# KiCad board GateMateA1-EVB_Rev_B.kicad_pcb (continued)
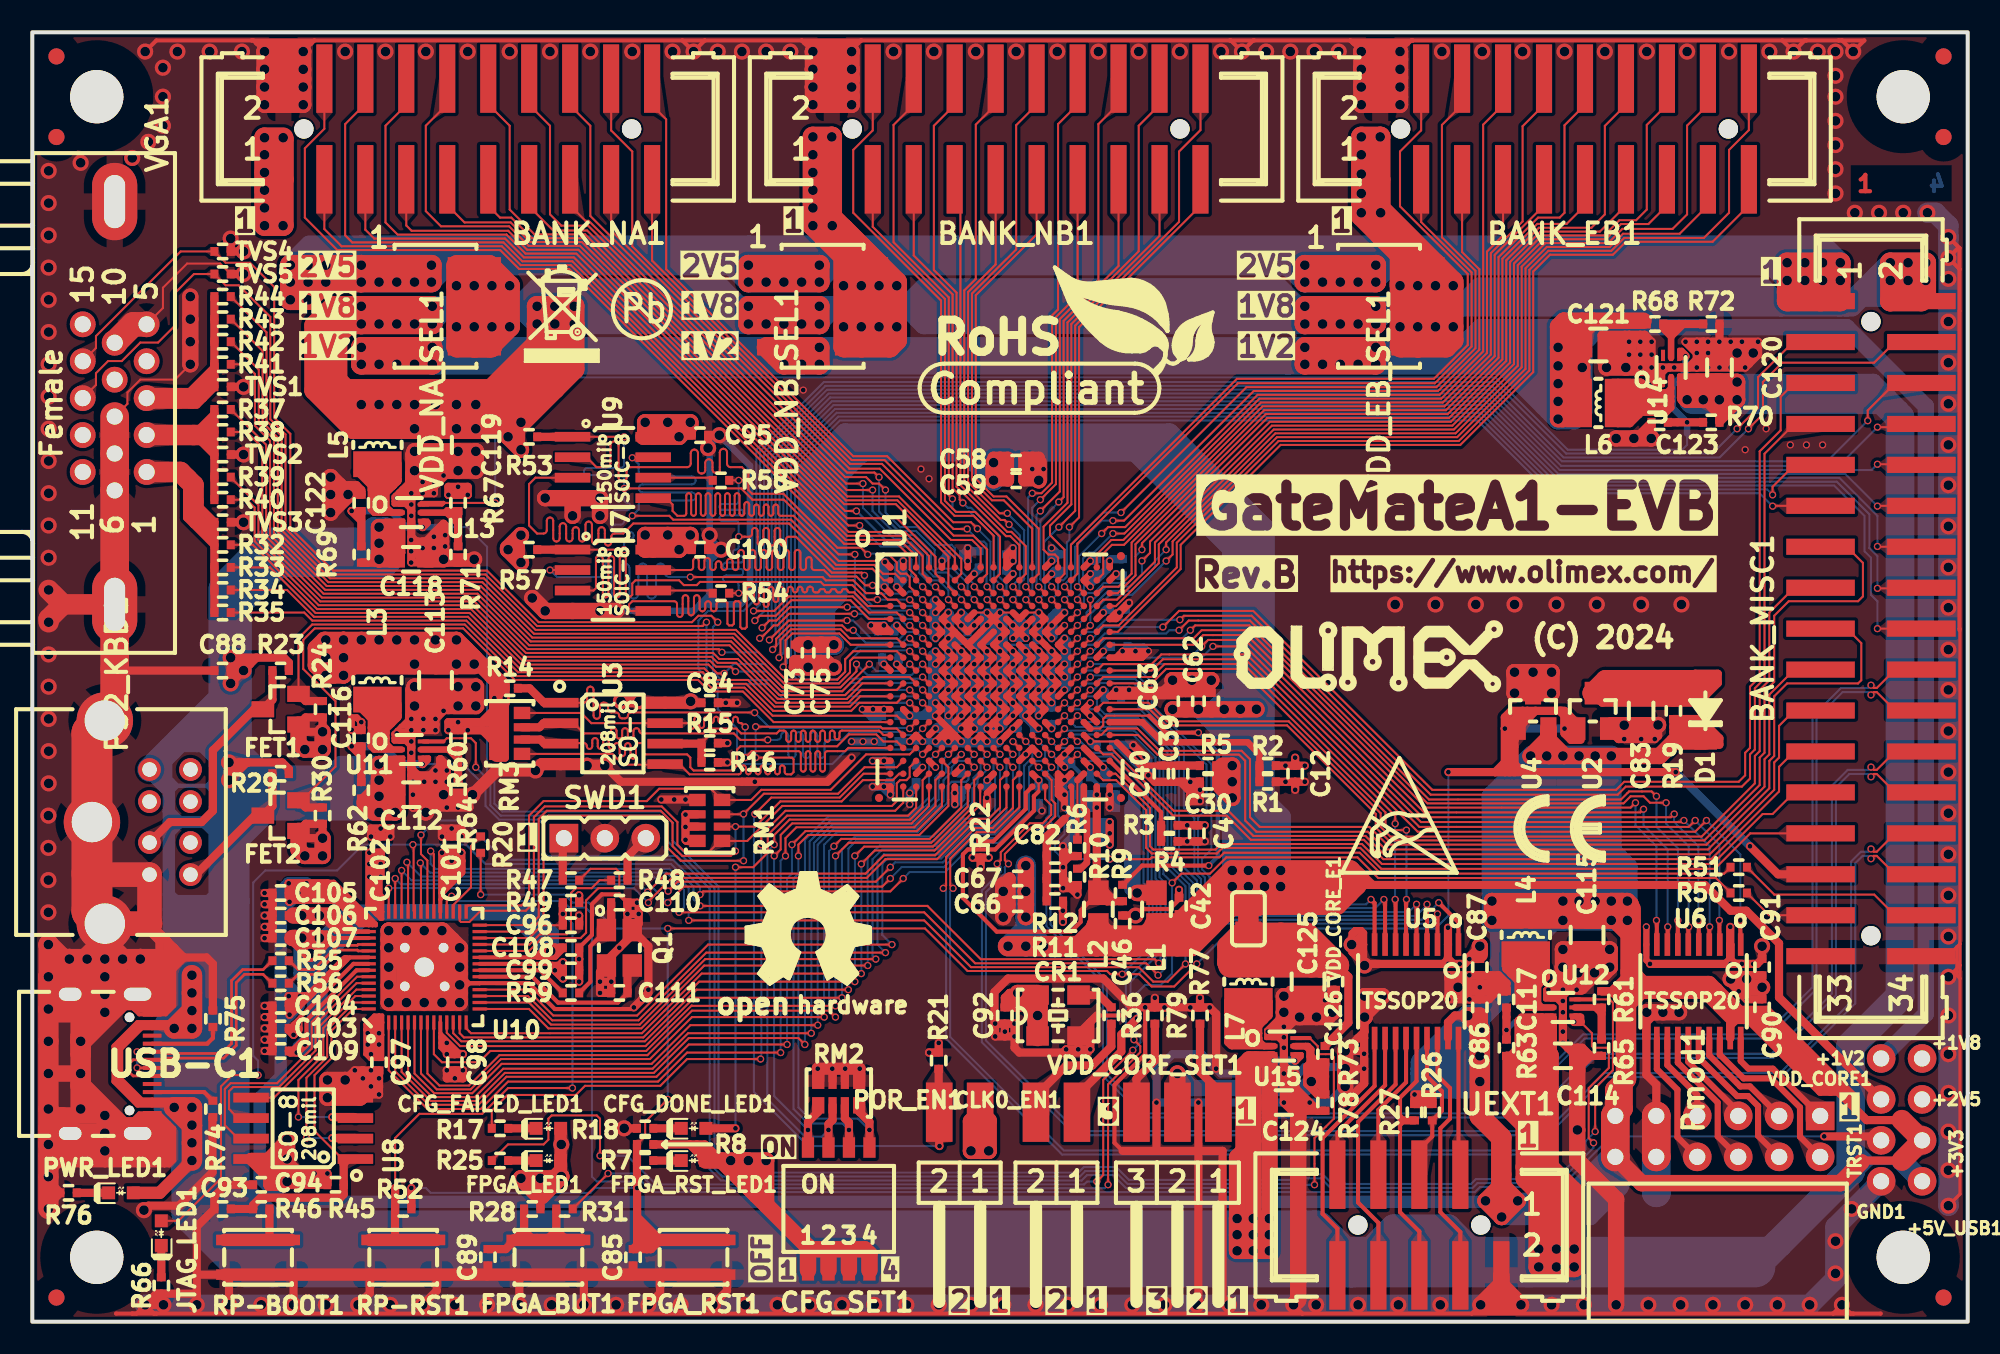
[diagram p0: board, top side]
## Routing (per net, layer and track width the routed paths; a pad name or vN(x,y) marks a point on that pad's centre or on a via; arc(x,y) is an arc through that point) (continued)
+1V8: length 673
  Top w0.406: v1(56,44.8) U1.D5 v1(56,44) ; v1(56,42.4) U1.F5 v1(56,43.2) ; U1.F2 v1(53.6,43.2) ; U1.C2 v1(53.6,45.6) ; U1.A2 v1(54,47.2)
  Top w0.508: R67.2 26.99,51.31 v1(27,51.3) 27,51.8 25.8,51.8 v1(25.8,51.3) 25.81,51.31 R67.2 ; R67.2 v1(26.4,51.8) ; R57.1 v2(29.5,47.9) ; R57.1 30.29,48.79 v2(30.3,48.8) ; R57.1 30.29,47.11 v2(30.3,47.1) ; C100.2 40.89,48.72 v2(40.8,48.81) 39.89,47.91 U7.8 ; C100.2 40.89,48.69 40.77,48.81 40.77,48.57 v2(40.1,47.9) C100.2 ; v2(30.3,54.1) 30.29,54.11 R53.1 ; R53.1 v2(29.5,54.9) ; R53.1 30.29,55.79 v2(30.3,55.8) ; C95.2 40.89,55.79 40.1,55 v2(40.1,54.9) 40.2,55 C95.2
  Top w1.016: 28.6,55.4 29,55.4 v2(29.5,54.9) ; v2(29.5,54.9) 29.5,55 v2(30.3,55.8) ; v2(29.5,54.9) v2(30.3,54.1) ; v2(30.3,47.1) v2(29.5,47.9) 29.5,48 v2(30.3,48.8) ; U7.8 38,47.91 38,47.91 v2(38,48.81) v2(39.4,48.81) v2(40.8,48.81) 40.8,48.6 v2(40.1,47.9) 40.09,47.91 U7.8 ; U9.8 40.09,54.91 v2(40.1,54.9) 40.8,55.6 v2(40.8,55.8) v2(39.4,55.8) v2(38,55.8) 38,55 37.91,54.91 U9.8
  Top w1.27: 27.2,55.4 v2(26.3,55.4) ; 27.2,55.4 28.6,55.4 ; 27.2,55.4 28.7,56.9 ; v2(26.3,55.4) 26.3,56.2 ; v2(26.3,55.4) 25.02,55.4 C119.1 24.98,55.4 v2(23.7,55.4) ; 28.4,57.85 29.65,57.85 30.6,58.8 ; 28.4,57.85 19.45,57.85 ; 28.4,57.85 28.46,57.85 31.3,60.69 v2(31.3,61.9) ; v2(23.7,55.4) 21.6,55.4 L5.2 ; v2(23.7,55.4) 19.9,55.4 17.5,57.8 17.5,60.1 ; v2(31.3,61.9) v2(31.3,63) v2(33.6,63) v2(33.6,61.9) ; v2(31.3,61.9) 31.3,59.5 30.6,58.8 ; v2(31.3,61.9) v2(32.4,61.9) ; v2(20.4,63) VDD_NA_SEL1.3 v2(24.8,63) v2(24.8,61.9) v2(20.4,61.9) ; v2(20.4,63) v2(20.4,61.9) ; v2(20.4,63) 18.15,60.75 ; v2(20.4,63) 18.7,63 17.5,61.8 17.5,60.1 ; 18.15,60.75 17.5,60.1 ; 18.15,60.75 18.15,58.85 L5.2 ; v2(20.4,61.9) 19.6,61.9 18.9,61.2 18.9,58.4 19.45,57.85 ; v2(32.4,63) v2(32.4,61.9) ; v2(32.4,61.9) v2(33.6,61.9) ; v2(32.4,61.9) 32.4,59.2 ; 19.45,57.85 v2(20.4,56.9) ; 115.2,63.32 BANK_MISC1.2 117.4,63.59 ; 115.2,63.32 115.47,63.59 117.4,63.59 ; 115.2,63.32 v2(115.2,64.6) ; v2(30.3,55.8) 27.4,55.8 v2(26.3,56.9) ; v2(30.3,55.8) 32.4,57.9 ; v2(30.3,55.8) 29.9,55.4 28.6,55.4 ; L5.2 20.4,56.6 v2(20.4,56.9) ; L5.2 22,56.2 26.3,56.2 ; v2(33.6,61.9) 33.6,59.1 32.4,57.9 ; 26.3,56.2 v2(26.3,56.9) ; v2(26.3,56.9) 28.7,56.9 ; v2(26.3,56.9) v2(20.4,56.9) ; 32.4,57.9 32.4,59.2 ; 32.4,59.2 28.6,55.4 ; 117.4,63.59 v2(117.4,64.6) ; v2(115.2,64.6) v2(117.4,64.6) ; v2(115.2,64.6) v2(115.2,65.7) v2(117.4,65.7) v2(117.4,64.6) ; 28.7,56.9 30.6,58.8 ; VDD_NB_SEL1.3 v2(48.8,63) v2(48.8,61.9) v2(44.4,61.9) v2(44.4,63) VDD_NB_SEL1.3 ; v2(83.3,61.9) v2(83.3,63) VDD_EB_SEL1.3 v2(78.9,63) v2(78.9,61.9) v2(83.3,61.9)
  In1.Cu w1.016: 33.6,62.4 v2(33.6,61.9) v2(31.3,61.9) ; 33.6,62.4 31.8,62.4 v2(31.3,61.9) ; 33.6,62.4 v2(33.6,63) v2(31.3,63) v2(31.3,61.9) ; 117.4,65.1 v2(117.4,64.6) v2(115.2,64.6) v2(115.2,65.7) ; 117.4,65.1 v2(117.4,65.7) v2(115.2,65.7) ; 117.4,65.1 115.8,65.1 v2(115.2,65.7) ; v2(26.3,55.4) v2(27.5,55.4) 27.5,56.2 ; v2(26.3,55.4) v2(26.3,56.9) ; v2(26.3,55.4) v2(23.7,55.4) 22.85,56.25 ; 83.3,62.4 79.5,62.4 v2(78.9,63) ; 83.3,62.4 v2(83.3,61.9) v2(78.9,61.9) v2(78.9,63) ; 83.3,62.4 v2(83.3,63) v2(78.9,63) ; v2(20.4,63) 21,62.4 24.8,62.4 ; v2(20.4,63) v2(20.4,61.9) v2(24.8,61.9) 24.8,62.4 ; v2(20.4,63) v2(24.8,63) 24.8,62.4 ; 27.5,56.2 22.9,56.2 22.85,56.25 ; 27.5,56.2 v2(27.5,56.9) v2(20.4,56.9) ; v2(44.4,63) v2(48.8,63) 48.8,62.6 ; v2(44.4,63) v2(44.4,61.9) v2(48.8,61.9) 48.8,62.6 ; v2(44.4,63) 44.8,62.6 48.8,62.6 ; 22.85,56.25 22.2,56.9 v2(21.5,56.9) ; v2(30.3,55.8) 30.3,55.7 v2(29.5,54.9) v2(30.3,54.1) v2(30.3,55.8)
  In2.Cu w0.127: 56,44.4 54,44.4 ; 54,44.4 53.6,44.4 ; 54,44.4 U1.C2 ; 54,44.4 54,43.6 54.8,43.6 ; 56,43.6 55.6,43.6 54.8,43.6 ; 54,46 v1(54,47.2) 54.4,47.2 54.8,46.8 ; 54,46 53.6,46 ; 54,46 U1.C2 ; 54,46 54.8,46 ; 54,46 v1(53.6,45.6) U1.C2 ; U1.C2 53.6,45.2 ; U1.C2 54.8,45.2 ; 55.6,46 55.6,45.2 54.8,45.2 ; 55.6,46 54.8,46.8 ; 55.6,46 54.8,46 ; 54.8,43.6 54.8,45.2 ; 54.8,45.2 54.8,46 ; 54.8,46.8 54.8,46
  In2.Cu w0.254: 53.6,43.6 v1(53.6,43.2) 54,43.6 53.6,43.6 ; 53.6,43.6 v1(53.6,45.6) 53.6,46.8 v1(54,47.2) ; v1(56,44) v1(56,43.2) 55.6,43.6 v1(56,44) ; v1(56,44) v1(56,44.8) 55.6,45.2
  In2.Cu w1.016: 115.2,65.2 v2(115.2,65.7) v2(117.4,65.7) v2(117.4,64.6) ; 115.2,65.2 116.8,65.2 v2(117.4,64.6) ; 115.2,65.2 v2(115.2,64.6) v2(117.4,64.6) ; v2(20.4,63) v2(24.8,63) 24.8,62.4 ; v2(20.4,63) v2(20.4,61.9) v2(24.8,61.9) 24.8,62.4 ; v2(20.4,63) 21,62.4 24.8,62.4 ; +1V8.1 117.4,16.56 117.4,63.4 ; 48.8,62.5 v2(48.8,61.9) v2(44.4,61.9) ; 48.8,62.5 v2(48.8,63) v2(44.4,63) v2(44.4,61.9) ; 48.8,62.5 45,62.5 v2(44.4,61.9) ; 117.4,63.4 117.4,63.5 v2(116.3,64.6) ; 117.4,63.4 v2(117.4,64.6) ; v2(78.9,63) 79.4,62.5 83.3,62.5 ; v2(78.9,63) v2(78.9,61.9) v2(83.3,61.9) 83.3,62.5 ; v2(78.9,63) v2(83.3,63) 83.3,62.5
  Bottom w0.127: v2(30.3,47.1) 30.6,47.4
  Bottom w0.508: v1(56,43.2) 55.89,43.31 C22.2 ; v1(56,43.2) v1(56,44) ; v1(56,43.2) v1(56,42.4) 55.89,42.51 C22.2 ; v1(56,44) 55.89,43.89 C22.2 ; v1(56,44) v1(56,44.8) 55.89,44.69 C22.2 ; 54,46.51 54,46 v1(53.6,45.6) 53.71,45.71 C14.1 C6.1 ; 54,46.51 v1(54,47.2) 53.71,46.91 C6.1 ; 54,46.51 C6.1 ; C38.2 53.46,43.06 v1(53.6,43.2) 53.6,42.99 C38.2
  Bottom w1.016: v2(24.8,61.9) 25.9,63 ; v2(48.8,61.9) 49.9,63 ; v2(83.3,61.9) 84.4,63
  Bottom w1.27: 78.4,63 77.3,64.1 55.3,64.1 54.2,63 ; 78.4,63 54.2,63 ; 78.4,63 v2(78.9,63) ; v2(78.9,61.9) 55.3,61.9 54.2,63 ; v2(78.9,61.9) v2(83.3,61.9) v2(83.3,63) ; v2(78.9,61.9) v2(78.9,63) ; 43.8,63 42.7,64.1 31.3,64.1 30.2,63 ; 54.2,63 v2(48.8,63) ; v2(117.4,64.6) 117.4,63.7 117.3,63.6 113.4,63.6 ; v2(117.4,64.6) v2(117.4,65.7) v2(115.2,65.7) 114.4,64.9 ; v2(117.4,64.6) 114.4,64.6 ; 114.4,64.9 114.4,64.6 ; 114.4,64.9 112.5,63 112,63 ; v2(83.3,63) 88.1,63 ; v2(83.3,63) v2(78.9,63) ; 43.3,63 v2(44.4,63) ; 43.3,63 30.2,63 ; 43.3,63 v2(44.4,61.9) ; v2(44.4,63) v2(48.8,63) ; v2(44.4,63) v2(44.4,61.9) ; 30.2,63 v2(31.3,61.9) v2(44.4,61.9) ; 30.2,63 v2(24.8,63) ; 112,63 112.8,63 113.4,63.6 ; 112,63 108.4,63 ; 114.4,64.6 113.4,63.6 ; 88.1,63 108.4,63 ; 88.1,63 88.59,63 89.74,64.15 107.25,64.15 108.4,63 ; v2(44.4,61.9) v2(48.8,61.9) v2(48.8,63) ; v2(24.8,63) v2(20.4,63) v2(20.4,61.9) v2(24.8,61.9) v2(24.8,63)
  vias: v2(21.5,61.9) v2(22.6,61.9) v2(22.6,56.9) v2(23.7,61.9) v2(23.7,56.9) v2(25,56.9) v2(45.5,61.9) v2(46.6,61.9) v2(47.7,61.9) v2(80,61.9) v2(81.1,61.9) v2(82.2,61.9) v2(116.3,65.7)
+2V5: length 1094.4
  Top w0.254: 31.99,22.21 32.25,22.21 ; 31.99,22.21 v1(32.4,21.8) 32.4,22.06 32.25,22.21 ; 31.99,22.21 U10.22 ; 32.25,22.21 32.81,22.21 v1(32.9,22.3) ; 20.2,24.21 U10.44 20.04,24.21 19.05,25.2 v2(17.8,25.2) 18.79,24.21 20.2,24.21 ; 20.2,24.21 19.8,24.21 ; U10.49 19.91,22.21 16.6,18.9 ; U10.1 21.5,18.77 21.5,19 ; U10.1 21.7,17.8 ; U10.1 21.7,19 21.5,19 ; 25.3,17.7 25.3,17.6 26.2,16.7 C98.1 25.99,16.61 25.3,17.3 ; 25.3,17.7 25.3,17.3 ; 25.3,17.7 25.3,17.9 ; 25.3,29 26.5,29 v1(26.6,29.1) 26.5,29.2 25.4,29.2 25.3,29.1 25.3,29 ; 25.3,29 25.3,27.9 ; 16.6,18.9 16.6,18.3 16.5,18.2 16.2,18.5 ; 16.6,18.9 16.2,18.5 ; 25.3,26.2 25.45,26.35 25.45,26.75 25.3,26.6 ; 25.3,26.2 U10.33 ; 25.3,26.2 25.3,26.6 ; 21.6,26.5 21.4,26.7 ; 21.6,26.5 21.6,28.6 ; 21.6,26.5 21.7,26.4 U10.42 ; 19.8,24.21 19.49,24.21 19.1,24.6 19.41,24.6 19.8,24.21 ; 21.5,19 20.65,18.15 20.65,18.1 ; 21.5,19 21.2,19 20.65,18.45 20.65,18.1 ; U10.42 21.54,25.44 21.35,25.25 ; U10.42 21.7,25 21.6,25 ; v1(26.7,16.6) 26.6,16.6 25.3,17.9 ; v1(25.7,16.6) 25.3,17 25.3,17.3 ; 21.6,25 21.6,25.5 21.3,25.8 21.3,25.3 ; 21.6,25 21.35,25.25 ; 21.5,16.3 21.7,16.3 21.7,17.8 ; 21.5,16.3 20.95,16.3 20.65,16.6 ; 21.5,16.3 C97.1 ; 25.3,17.9 U10.10 ; 21.7,17.8 21.5,17.6 ; 21.35,25.25 21.3,25.3 ; 21.3,25.3 20.88,25.72 20.88,27.28 21,27.4 ; 20.65,18.1 20.65,16.6 ; 20.65,16.6 v1(21,16.6) ; 16.2,18.5 C103.1 ; 25.3,26.6 25.3,27.9 ; 25.3,27.9 v1(26,28.6) ; v1(64,34.4) 64.03,34.4
  Top w0.381: v2(81.8,23.4) 81.8,22.9 ; v2(81.8,23.4) 81.8,24.1 82,24.3 82.2,24.3 ; v2(81.8,23.4) 82.4,24 ; v2(81.8,23.4) 81.8,23.9 82.2,24.3 ; v2(81.8,23.4) 82.3,23.4 ; 81.8,22.9 82.07,22.9 82.39,23.21 ; 81.8,22.9 82.25,22.45 ; 82.39,23.21 82.25,23.08 82.25,22.45 ; 82.39,23.21 U5.10 ; U5.10 82.57,22.12 v2(82.6,22.1) 82.25,22.45 ; U5.10 82.3,23.4 ; U5.10 82.57,24.12 82.4,24.3 ; 82.3,23.4 82.4,23.5 82.4,24 ; 82.4,24 82.4,24.3 ; v1(25.4,29.1) 25.4,28.6 25.9,29.1 C101.1 ; 82.2,24.3 82.4,24.3 ; v1(100.3,22.2) 100.07,22.42 U6.10 v1(100.07,24.5)
  Top w0.406: v1(54.4,36) U1.P3 v1(55.2,36) ; U1.P6 56.8,36.8 ; U1.P6 v1(56.8,36) U1.P5 ; U1.P6 v1(57.6,36) ; U1.P6 U1.P5 ; 56.8,36.8 U1.P5 ; 56.8,36.8 U1.N5 v1(56,37.6) U1.M5 v1(56,38.4) ; U1.T1 v1(52.8,34.8) v1(52.1,34.8) ; U1.L17 v1(66.4,39.2) ; v1(56,39.2) U1.K5 v1(56,40) ; v1(58.4,36) U1.P8 v1(59.2,36) ; U1.R15 v1(64,35.2) U1.T14 v1(64,34.4) ; v1(64,41.6) U1.G14 v1(64,42.4) ; U1.H17 v1(66.4,41.6) ; U1.P5 v1(56,36) ; U1.N13 v1(63.2,36.8) ; v1(60,36) U1.P10 v1(60.8,36.8) U1.N11 ; U1.L14 v1(64,39.2) ; v1(56,40.8) U1.H5 v1(56,41.6) ; U1.J2 v1(53.6,40.8) ; U1.U6 v1(57.6,34.4) ; v1(64,40.8) U1.J14 v1(64,40) ; U1.M2 v1(54.4,37.6) ; v1(59.2,33.6) U1.U9 ; U1.U3 v1(55.2,34.4)
  Top w0.508: 28.84,37.29 28.75,37.2 27,37.2 ; v1(25.7,16.6) 26.19,16.6 C98.1 26.69,16.61 v1(26.7,16.6) ; v2(107.25,23.3) C91.1 106.94,22.2 v1(106.7,22.2) 105.45,22.2 105.28,22.38 U6.2 ; C101.1 v1(26,28.6) ; C101.1 26.6,29.1 v1(26.6,29.1) 26.6,28.6 ; C101.1 25.45,28.55 25.45,28.05 ; v1(26,28.6) 25.45,28.05 ; v1(26,28.6) 26.6,28.6 ; v1(78.9,34.5) 78.31,34.5 C12.1 ; 87.5,22.2 87.78,22.47 87.78,22.6 ; 87.5,22.2 82.7,22.2 v2(82.6,22.1) ; 87.5,22.2 v1(87.8,22.2) ; v1(32.4,21.8) v1(32.9,22.3) ; v1(32.4,21.8) v1(32.9,22.3) ; v1(32.4,21.8) v1(32.9,21.3) 32.89,21.31 C99.1 ; v1(32.4,21.8) C99.1 ; v1(32.9,22.3) 32.89,22.29 C99.1 ; R11.2 63.91,25.51 v1(63.9,25.5) ; 41.2,11 42.2,10 42.7,10 41.7,11 41.2,11 ; 41.2,11 40.76,11 ; R28.2 31.51,8.98 ; 40.76,11 FPGA_RST_LED1.2 ; 40.76,11 R8.2 ; 25.45,28.05 25.45,27.45 ; 60.55,19.85 61.98,19.85 62.33,19.5 62.32,19.51 61.2,19.51 ; 60.55,19.85 60.3,19.6 ; 60.55,19.85 v2(61.1,20.4) 60.6,20.4 ; R3.1 v1(71.61,30.8) 72.19,30.8 C4.1 72.21,30.8 v1(72.7,30.8) ; 61.2,19.51 61.52,19.51 62.33,18.7 ; 61.2,19.51 60.91,19.51 60.9,19.5 60.89,19.51 C92.2 60.3,19.6 ; 21.45,25.35 20.9,25.9 v1(20.9,29.1) ; 40.73,38.41 v2(40.82,38.49) 40.91,38.4 C84.2 ; v2(15.8,10.1) 16.8,9.1 16.9,9.1 16,9.1 15.8,9.3 ; 60.6,20.4 62.2,20.4 CR1.4 ; 60.6,20.4 60.3,20.1 60.3,19.6 ; 88.1,22.2 v1(88.5,22.2) 88.8,22.2 v1(89.1,22.5) ; 88.1,22.2 87.78,22.53 87.78,22.6 ; 88.1,22.2 v1(87.8,22.2) ; 31.51,8.89 v2(31.5,8.9) ; R45.1 16,8.5 v2(15.8,8.7) 15.9,8.8 18.29,8.8 ; R45.1 18.29,8.8 ; R45.1 18.29,9.19 v1(18.3,9.2) 16.7,9.2 16.5,9.4 ; 105.28,22.47 105.55,22.2 v1(106,22.2) v1(105.3,22.2) ; 105.28,22.47 U6.2 ; 105.28,22.47 105,22.2 ; 27,37.2 v1(27,36.7) ; 27,37.2 25.8,37.2 v1(25.8,36.7) v1(27,36.7) ; 27,37.2 27.86,37.2 28.84,38.18 ; v1(27,36.7) 27.9,36.7 28.84,35.77 ; v1(27,36.7) 28.66,36.7 RM3.3.2 ; v2(37.62,38.5) 37.7,38.41 U3.8 ; v1(89.1,22.5) 89.1,22.65 v2(89.75,23.3) 89.75,23.35 C87.1 89.11,22.51 v1(89.1,22.5) ; 21,28.6 21.3,28.6 ; 21,28.6 21,29.1 21,29.1 C102.1 21.6,28.6 ; 21,28.6 21,27.1 21.4,26.7 21.3,26.8 21.3,28.6 ; 21.3,28.6 21.6,28.6 ; RM1.2.2 40.52,30.72 v1(40.5,30.7) ; 25.45,27 26.6,28.15 26.6,28.6 ; 25.45,27 25.45,26.75 26.6,27.9 26.6,28.6 ; 25.45,27 25.45,27.45 ; v1(87.8,22.2) 87.78,22.22 87.78,22.6 ; 105,22.2 v1(105.3,22.2) ; 105,22.2 v1(100.3,22.2) ; v1(105.3,22.2) 105.28,22.22 U6.2 ; 16.5,18.2 16.5,18.6 ; 16.5,18.2 16.5,18.1 v1(16.2,17.8) 15.91,18.09 C103.1 16.5,18.2 ; v1(66.8,31) v1(66.8,29.6) ; v1(63.9,25.5) v1(63.9,24.8) ; v1(63.9,25.5) 63.89,25.51 ; POR_EN1.1 58.8,13.03 ; 87.78,22.6 U5.2 v1(87.78,24.45) ; RM1.1.2 40.57,29.83 v1(40.5,29.9) v1(40.5,31.47) 40.52,31.48 RM1.3.2 ; 25.45,27.45 26.6,28.6 ; 21.6,28.6 v1(21.6,27.6) ; 18.29,8.8 18.29,9.09 18.3,9.1 ; R49.1 33.91,26.45 v1(33.9,26.46) ; R2.1 v1(77.7,34.5) 78.29,34.5 C12.1 ; R15.2 v1(43.1,35.9) ; v1(29.3,38.69) 29.3,35 29.07,35 RM3.1.2 ; U6.2 v1(105.28,24.5) ; C106.1 16.2,25.2 ; R60.2 v1(26.4,37.2) ; C12.1 v1(78.3,35) ; FET2.1 16.95,30.89 R30.1 v2(18,30) 16.96,30 FET2.1 ; R24.1 v2(18,36.6) 16.96,36.6 FET1.1 16.95,37.49 R24.1 ; 21,18.1 21.5,18.6 C97.1 21.01,16.61 v1(21,16.6) 21,18.1
  Top w0.762: 21.3,25.8 21.3,27.1 ; 15.1,8.5 15.6,8.5 v2(15.8,8.7) 15.8,9.3 ; 15.1,8.5 15.1,10.09 ; 15.1,8.5 C94.2 ; FPGA_LED1.2 32.76,9.14 ; FPGA_LED1.2 32.76,9.05 v2(32.8,9.01) ; FPGA_LED1.2 32.76,10.96 v2(32.8,11) 32.76,11.04 CFG_FAILED_LED1.2 ; 14.7,10.09 14.7,9.3 ; 14.7,10.09 15.1,10.09 ; 14.7,10.09 U8.8 ; 14.7,9.3 14.71,9.29 C94.2 ; 14.7,9.3 15.8,9.3 ; 15.1,10.09 15.8,10.09 v2(15.8,10.1) 15.8,9.3 ; v2(36.5,38.5) v2(37.62,38.5) 37.71,38.41 U3.8 40.73,38.41 ; C94.2 14.71,8.95 U8.8 ; U8.8 14.59,10.09 v2(15.8,11.3) ; 32.76,9.46 32.2,8.9
  Top w1.016: 42.7,10 v2(44.4,10) ; 42.7,10 FPGA_RST_LED1.2 ; 42.7,10 42.75,10 44.9,7.85 44.9,8.9 43.8,10 v2(45.5,10) 45.5,7.25 ; 28.84,39.05 R14.2 ; 28.84,39.05 28.84,38.18 ; 28.84,39.05 28.84,39.76 28.52,40.08 ; R14.2 29.09,38.43 28.84,38.18 ; R14.2 29.09,39.51 28.52,40.08 ; 58.8,10.6 58.77,10.63 POR_EN1.1 ; 58.8,10.6 v2(58.2,10.6) 58.2,12.43 POR_EN1.1 ; 58.8,10.6 v2(59.3,10.6) 59.3,12.47 POR_EN1.1 ; 28.84,38.18 RM3.1.2 ; CFG_SET1.1 48.09,4.66 ; 48.09,4.66 44.2,8.55 44.2,10 ; 48.09,4.66 48.25,4.5 49.4,4.5 ; v2(18,30) v2(18,28.9) v2(16.9,28.9) 16.51,29.29 FET2.1 ; v2(15.8,11.3) v2(15.8,10.1) v2(15.8,8.7) ; 18.7,40.1 v2(18.2,40.1) 17.58,40.72 17.58,41.78 18.1,42.3 v2(18.2,42.3) v2(19.3,42.3) ; 18.7,40.1 18.7,41.7 v2(19.3,42.3) ; 18.7,40.1 v2(19.3,40.1) ; 20.2,41 19.3,41.9 v2(19.3,42.3) ; 20.2,41 v2(19.3,40.1) ; 20.2,41 L3.2 21.5,41.1 v2(21.5,42.3) ; v2(22.6,42.3) 23.2,41.7 26.9,41.7 ; 26.9,41.7 v2(26.3,42.3) ; 26.9,41.7 27.4,41.2 v2(27.4,40.8) ; v2(26.3,42.3) 28.52,40.08 ; v2(26.3,42.3) v2(20.4,42.3) v2(19.3,42.3) ; CFG_SET1.2 49.37,4.47 49.4,4.5 ; 50.5,4.5 51.6,4.5 51.91,4.19 CFG_SET1.4 ; 50.5,4.5 50.63,4.36 CFG_SET1.3 ; 50.5,4.5 49.4,4.5 ; v2(18,36.6) v2(18,35.5) v2(16.9,35.5) 16.51,35.89 FET1.1 ; v2(19.3,40.1) v2(19.3,42.3) ; 19.1,24.6 18.5,25.2 v2(17.8,25.2) v2(16.7,25.2) 16.2,25.2 ; CR1.4 v2(62.33,19) ; 62.2,20.4 v2(61.1,20.4) ; v2(89.75,23.3) 89.75,22.8 ; v2(30.3,8.9) 32.69,8.9 v2(32.8,9.01) 31.6,7.81 31.39,7.81 v2(30.3,8.9)
  Top w1.27: v2(16,64.5) v2(20.4,64.5) ; v2(16,64.5) v2(16,63.4) v2(17.1,63.4) v2(18.2,64.5) ; v2(16,64.5) v2(16,65.55) v2(20.4,65.55) ; v2(20.4,65.55) 20.41,65.54 VDD_NA_SEL1.1 22.6,65.55 v2(24.75,65.55) v2(24.75,64.5) v2(20.4,64.5) ; v2(20.4,65.55) v2(20.4,64.5) ; v2(108.8,64.6) v2(112.1,64.6) 111.4,63.9 108.8,63.9 ; CR1.4 CR1.1 ; v2(44.4,65.55) v2(44.4,64.5) v2(48.8,64.5) v2(48.8,65.55) ; v2(44.4,65.55) 44.41,65.54 VDD_NB_SEL1.1 48.79,65.54 v2(48.8,65.55) ; v2(44.4,65.55) v2(48.8,65.55) ; v2(27.4,40.8) v2(26.3,40.8) ; v2(26.3,40.8) v2(23.7,40.8) ; v2(26.3,40.8) 25.02,40.8 C113.1 ; v2(19.3,41.2) 19.7,40.8 v2(23.7,40.8) ; 108.8,63.9 108.8,63.34 108.82,63.32 BANK_MISC1.1 112.08,63.32 112.1,63.34 v2(112.1,65.7) v2(108.8,65.7) 108.8,63.9 ; v2(23.7,40.8) 21.6,40.8 L3.2 ; VDD_EB_SEL1.1 83.29,65.54 v2(83.3,65.55) v2(83.3,64.5) v2(78.9,64.5) v2(78.9,65.55) 78.91,65.54 VDD_EB_SEL1.1
  In1.Cu w1.016: 26.8,41.8 27.4,41.2 v2(27.4,40.8) ; 26.8,41.8 v2(26.3,42.3) v2(18.2,42.3) v2(18.2,40.1) ; 26.8,41.8 18.8,41.8 v2(18.2,41.2) 27,41.2 v2(27.4,40.8) ; 20.4,65 v2(20.4,65.55) v2(24.75,65.55) v2(24.75,64.5) ; 20.4,65 v2(20.4,64.5) v2(24.75,64.5) ; 20.4,65 24.25,65 v2(24.75,64.5) ; 20,40.8 v2(26.3,40.8) v2(27.4,40.8) ; 20,40.8 v2(19.3,40.1) v2(18.2,40.1) ; 20,40.8 18.9,40.8 v2(18.2,40.1) ; 83.3,65.1 v2(83.3,65.55) v2(78.9,65.55) ; 83.3,65.1 v2(83.3,64.5) v2(78.9,64.5) v2(78.9,65.55) ; 83.3,65.1 79.35,65.1 v2(78.9,65.55) ; v2(16.7,25.2) v2(17.8,25.2) ; 108.8,65.1 111.6,65.1 v2(112.1,64.6) ; 108.8,65.1 v2(108.8,64.6) v2(112.1,64.6) ; 108.8,65.1 v2(108.8,65.7) v2(112.1,65.7) v2(112.1,64.6) ; v2(15.8,11.3) v2(15.8,8.7) ; v2(44.4,65.55) 44.95,65 48.8,65 ; v2(44.4,65.55) v2(44.4,64.5) v2(48.8,64.5) 48.8,65 ; v2(44.4,65.55) v2(48.8,65.55) 48.8,65 ; v2(45.5,10) v2(43.3,10) ; 17.45,63.75 16.75,63.75 v2(16,64.5) ; 17.45,63.75 v2(17.1,63.4) v2(16,63.4) v2(16,65.55) v2(18.2,65.55) 18.2,65.1 ; 17.45,63.75 v2(18.2,64.5) ; 18.2,65.1 16.6,65.1 v2(16,64.5) ; 18.2,65.1 v2(18.2,64.5) ; v2(16,64.5) v2(18.2,64.5) ; v2(16.9,35.5) v2(18,36.6) v2(18,35.5) v2(16.9,35.5) ; v2(16.9,28.9) v2(18,28.9) v2(18,30) v2(16.9,28.9) ; v2(32.8,9.01) 30.41,9.01 v2(30.3,8.9) 32.69,8.9 v2(32.8,9.01)
  In2.Cu w0.127: v1(56.8,36) v1(57.6,36) ; v1(56.8,36) 56.8,36.8 ; v1(56.8,36) U1.P6 ; v1(56.8,36) 56.4,35.6 ; v1(56.8,36) U1.P5 ; v1(56.8,36) 57.2,35.6 ; v1(57.6,36) 57.2,35.6 ; v1(57.6,36) 58,35.6 ; v1(57.6,36) U1.P6 ; v1(57.6,36) 58,36.4 ; 66,40.4 66,39.6 ; 66,40.4 66.4,40.8 ; 66,40.4 66.4,40 ; 66,40.4 66,42 ; 66,40.4 64.4,40.4 ; 66,40.4 66.8,40.4 ; 66,39.6 v1(66.4,39.2) ; 66,39.6 66.4,40 ; 66,39.6 65.2,39.6 ; 66,39.6 66.8,39.6 ; 56.4,34 57.2,34.8 ; 56.4,34 U1.U6 ; 56.4,34 56.4,34.8 ; 56.4,34 55.6,34 ; 57.2,34.8 57.2,35.6 ; 57.2,34.8 v1(57.6,34.4) ; 57.2,34.8 U1.U6 ; 66,35.6 66,34.8 ; 66,35.6 66,36.4 65.2,36.4 ; 66,35.6 63.6,35.6 ; 66,34.8 66,34 ; 66,34.8 U1.T14 ; 54,37.2 v1(54.4,37.6) ; 54,37.2 54,36.4 ; 54,37.2 54.8,37.2 ; 54,37.2 U1.M2 ; v1(54.4,37.6) 54.8,37.2 ; v1(54.4,37.6) U1.M2 ; v1(54.4,37.6) 54.8,38 ; 55.6,37.2 54.8,37.2 ; 55.6,37.2 55.6,38 ; 55.6,37.2 v1(56,37.6) ; 55.6,37.2 U1.N5 ; 55.6,37.2 55.6,36.4 ; 54.8,37.2 54.8,38 ; 54.8,37.2 U1.P3 ; U1.H17 v1(66.4,41.6) ; U1.H17 66.8,41.2 ; U1.H17 64.4,41.2 ; U1.H17 66.4,40.8 ; v1(66.4,41.6) 66,42 ; v1(66.4,41.6) 66.4,40.8 ; v1(66.4,41.6) 66.8,41.2 ; U1.N5 v1(56,37.6) ; U1.N5 56.8,36.8 ; U1.N5 U1.M5 ; v1(56,37.6) 55.6,38 ; v1(56,37.6) U1.M5 ; v1(57.6,34.4) 58,34 ; v1(57.6,34.4) 58,34.8 ; v1(57.6,34.4) U1.U6 ; 58,34 58,34.8 ; 58,34 U1.U6 ; 58,34 58.8,34 ; 64.4,42 65.2,42 ; 64.4,42 v1(64,41.6) 64.4,41.2 ; 64.4,42 v1(64,42.4) ; 65.2,42 66,42 ; 65.2,42 65.2,39.6 ; 54,39.6 U1.J2 54.8,40.4 ; 54,39.6 56,39.6 ; 54,39.6 54,38.8 ; 58,34.8 58,35.6 ; 56.8,36.8 U1.P6 ; 56.8,36.8 U1.P5 ; 64.4,39.6 v1(64,39.2) ; 64.4,39.6 v1(64,40) 64.4,40.4 ; 64.4,39.6 65.2,39.6 ; 55.6,40.4 v1(56,40.8) 56.4,40.4 ; 55.6,40.4 55.6,40 ; 55.6,40.4 v1(56,40) ; 55.6,40.4 54.8,40.4 ; 56.4,38.8 U1.K5 ; 56.4,38.8 v1(56,38.4) ; 56.4,38.8 U1.M5 ; 56.4,38.8 v1(56,39.2) ; U1.K5 v1(56,40) ; U1.K5 56.4,40.4 ; U1.K5 v1(56,39.2) ; 66.8,40.4 66.8,41.2 ; 66.8,40.4 66.4,40 ; 66.8,40.4 66.8,39.6 ; 66.8,40.4 66.4,40.8 ; 66.8,41.2 66.4,40.8 ; v1(52.8,34.8) 53.6,34 54,34 ; v1(52.8,34.8) 54,34.8 ; v1(52.8,34.8) 53.6,35.6 ; 56.4,35.6 55.6,35.6 ; 56.4,35.6 59.6,35.6 ; 56.4,35.6 U1.P5 ; 56.4,35.6 v1(56,36) ; 56.4,35.6 56.4,34.8 ; 55.6,35.6 54.8,35.6 ; 55.6,35.6 v1(56,36) ; 55.6,35.6 v1(55.2,36) ; 64.4,36.4 U1.R15 ; 64.4,36.4 65.2,36.4 ; 64.4,36.4 63.6,36.4 63.6,35.6 ; U1.R15 64.4,34.8 ; U1.R15 v1(64,35.2) ; v1(55.2,36) 54.8,35.6 ; v1(55.2,36) 55.6,36.4 ; v1(55.2,36) U1.P3 ; 54.8,35.6 54,35.6 ; 54.8,35.6 v1(54.4,36) ; 54.8,35.6 54.8,34.8 ; 54.8,35.6 U1.P3 ; 55.6,34.8 v1(55.2,34.4) ; 55.6,34.8 55.6,34 ; 55.6,34.8 54.8,34.8 ; 55.6,34.8 56.4,34.8 ; 55.6,34.8 55.6,36.4 ; v1(55.2,34.4) 55.6,34 ; v1(55.2,34.4) 54.8,34.8 ; v1(55.2,34.4) U1.U3 ; U1.M2 54,38.8 ; U1.M2 56,38 ; 54,38.8 55.6,38.8 ; 54,35.6 54,36 ; 54,35.6 53.6,35.6 ; 54,35.6 54,34.8 ; 54,35.6 v1(54.4,36) ; v1(64,34.4) 64.4,34.8 ; v1(64,34.4) 63.6,34 ; v1(64,34.4) U1.T14 ; v1(64,34.4) 64.4,34 ; 64.4,34.8 v1(64,35.2) ; 64.4,34.8 64.4,34 ; 66.4,40 66.8,39.6 ; 66.4,40 66.4,40.8 ; 66.4,40 v1(66.4,39.2) ; 55.6,39.6 v1(56,40) ; 55.6,39.6 55.6,39.2 ; 55.6,39.6 55.6,40 ; 55.6,39.6 v1(56,39.2) ; v1(56,40) 55.6,40 ; v1(56,40) 56.4,40.4 ; v1(59.2,36) 58.8,35.6 ; v1(59.2,36) 59.6,36.4 ; v1(59.2,36) 59.6,35.6 ; v1(59.2,36) U1.P8 v1(58.4,36) ; 58.8,35.6 58.8,34 ; 58.8,35.6 v1(58.4,36) ; 55.6,38 v1(56,38.4) ; 55.6,38 55.6,38.4 ; v1(56,38.4) 55.6,38.4 ; v1(56,38.4) 55.6,38.8 ; v1(56,38.4) U1.M5 ; 53.6,35.6 54,36 ; 54,36 54,36.4 ; 66,34 63.6,34 ; 66,34 66,33.2 64.4,33.2 ; 58.8,34 U1.U9 ; 58.8,34 v1(59.2,33.6) U1.U9 ; 59.6,35.6 59.6,34.8 ; 59.6,35.6 v1(60,36) 59.6,36.4 ; 59.6,34.8 56.4,34.8 ; 59.6,34.8 U1.U9 ; 54,34.8 54,34 ; 54,34.8 54.8,34.8 ; 63.6,35.6 v1(64,35.2) ; 63.6,35.6 U1.T14 ; v1(58.4,36) 58,36.4 ; v1(58.4,36) 58,35.6 ; 58,36.4 59.6,36.4 ; 58,36.4 U1.P5 ; v1(66.4,39.2) 66.8,39.6 ; U1.U6 56.4,34.8 ; 54.8,40.4 54.8,38 ; v1(64,35.2) U1.T14 ; 55.6,34 U1.U3 ; 55.6,36.4 U1.P5 ; 55.6,36.4 v1(56,36) ; 55.6,36.4 U1.P3 ; 55.6,39.2 v1(56,39.2) ; 55.6,39.2 55.6,38.4 ; U1.U3 54,34 ; U1.U3 54.8,34.8 ; 64.4,34 64.4,33.2 ; 64.4,33.2 63.6,33.2 63.6,34 ; 58,36 58,35.6 ; 63.6,34 U1.T14 ; U1.P3 54,36.4 ; U1.P3 v1(54.4,36) ; 65.2,36.4 65.2,33.2 ; v1(56,39.2) 55.6,38.8 ; 55.6,38.8 56,38.8 ; 54,36.4 v1(54.4,36) ; 64.4,40.4 v1(64,40.8) 64.4,41.2 ; U1.P5 v1(56,36)
  In2.Cu w0.2: v1(64,41.6) v1(64,40.8) ; v1(60,36) v1(57.6,36) ; v1(58.4,36) 58,36
  In2.Cu w0.254: v1(53.6,40.8) U1.J2 ; v1(56,37.6) v1(56,38.4) v1(56,39.2) v1(56,40) v1(56,40.8) ; v1(52.8,34.8) v1(52.1,34.8)
  In2.Cu w0.381: v1(63.2,36.8) 63.6,36.4
  In2.Cu w0.406: v1(64,42.4) v1(64,41.6)
  In2.Cu w0.508: 64,39.23 v1(64,40) v1(64,40.8) v1(64,41.6)
  In2.Cu w1.016: v2(20.4,65.55) v2(24.75,65.55) 24.75,65 ; v2(20.4,65.55) v2(20.4,64.5) v2(24.75,64.5) 24.75,65 ; v2(20.4,65.55) 20.95,65 24.75,65 ; v2(44.4,65.55) v2(48.8,65.55) 48.8,65 ; v2(44.4,65.55) v2(44.4,64.5) v2(48.8,64.5) 48.8,65 ; v2(44.4,65.55) 44.95,65 48.8,65 ; v2(78.9,65.55) 79.45,65 83.3,65 ; v2(78.9,65.55) v2(78.9,64.5) v2(83.3,64.5) 83.3,65 ; v2(78.9,65.55) v2(83.3,65.55) 83.3,65
  Bottom w0.254: 65.25,31.25 65,31.51 ; 65.25,31.25 C78.2 ; 65.25,31.25 65.25,30.65 66.3,29.6 ; 65,31.51 65,34.01 C79.1 ; 65,31.51 65,30.7 66.1,29.6 66.3,29.6 ; 66.3,29.6 v1(66.8,29.6) ; C79.1 64.4,34.8 v1(64,35.2) ; C79.1 64,35.01 v1(64,35.2) ; C79.1 64.19,34.4 64.03,34.4 64,34.43 v1(64,35.2)
  Bottom w0.381: C1.2 66.7,41.9 v1(66.4,41.6) ; v1(60,36) v1(60.8,36.8)
  Bottom w0.406: v1(56,36) v1(55.2,36) v1(54.4,36) C76.1 ; v1(55.2,34.4) 54.91,34.4 C68.1 ; v1(57.6,34.4) C11.1
  Bottom w0.508: C35.1 57.71,35.89 v1(57.6,36) ; C35.1 56.11,35.89 v1(56,36) v1(56.8,36) v1(57.6,36) ; C35.1 C27.1 59.89,35.89 v1(60,36) v1(57.6,36) ; C5.2 53.71,40.91 v1(53.6,40.8) ; 66.8,30.7 65.81,30.7 C78.2 ; 66.8,30.7 v1(66.8,30.3) ; 66.8,30.7 v1(66.8,31) C78.2 ; 55.79,40.21 C28.1 C21.1 ; 55.79,40.21 C37.1 C72.1 C74.1 55.79,37.81 v1(56,37.6) ; 55.79,40.21 v1(56,40) ; C3.2 v1(59.2,33.6) ; v1(56,37.6) v1(54.4,37.6) ; v1(56,37.6) v1(56,38.4) ; v1(54.4,37.6) C13.1 ; v1(54.4,37.6) 55.24,37.6 56,38.36 v1(56,38.4) ; C21.1 55.79,41.01 v1(56,40.8) ; C21.1 55.79,41.39 v1(56,41.6) v1(56,40.8) ; v1(66.8,30.3) v1(66.8,29.6) 65.51,30.89 C78.2 ; v1(66.8,30.3) 66.21,30.3 C78.2 ; C9.1 66.49,39.11 v1(66.4,39.2) ; v1(52.1,34.8) v1(52.8,34.8) 52.91,34.8 C70.1 ; v1(56,38.4) v1(56,40.8) ; C36.2 v1(60.8,36.8) ; C20.2 v1(63.2,36.8) ; C33.1 64.16,39.36 v1(64,39.2) v1(64,42.4) 64.16,42.24 C17.1 C33.1
  Bottom w1.016: v2(48.8,64.5) 49.85,65.55 ; 84.4,65.55 84.35,65.55 v2(83.3,64.5) ; v2(24.75,64.5) 24.85,64.5 25.9,65.55
  Bottom w1.27: v2(78.9,64.5) v2(83.3,64.5) v2(83.3,65.55) ; v2(78.9,64.5) v2(78.9,65.55) ; v2(78.9,64.5) 77.85,65.55 77.3,65.55 ; v2(44.4,64.5) 43.35,65.55 43.3,65.55 ; v2(44.4,64.5) v2(48.8,64.5) v2(48.8,65.55) ; v2(44.4,64.5) v2(44.4,65.55) ; 43.3,65.55 v2(20.4,65.55) ; 43.3,65.55 v2(44.4,65.55) ; v2(16,65.55) 17.2,66.75 20.4,66.75 ; v2(16,65.55) v2(20.4,65.55) ; v2(16,65.55) v2(16,63.4) ; v2(20.4,65.55) v2(20.4,64.5) ; v2(20.4,65.55) 20.4,66.75 ; 77.3,65.55 v2(78.9,65.55) ; 77.3,65.55 50.1,65.55 ; v2(78.9,65.55) v2(83.3,65.55) ; v2(108.8,64.6) 107.85,65.55 107.6,65.55 ; v2(108.8,64.6) v2(108.8,65.7) v2(112.1,65.7) ; v2(108.8,64.6) v2(112.1,64.6) ; 107.6,65.55 111.15,65.55 v2(112.1,64.6) ; 107.6,65.55 v2(83.3,65.55) ; 49.85,65.55 50.1,65.55 ; 50.1,65.55 v2(44.4,65.55) ; v2(83.3,65.55) 83.3,66.75 ; v2(44.4,65.55) 44.4,66.7 44.45,66.75 ; v2(20.4,64.5) v2(24.75,64.5) v2(24.75,65.55) ; v2(20.4,64.5) v2(18.2,64.5) v2(17.1,63.4) v2(16,63.4) ; v2(112.1,65.7) v2(112.1,64.6) ; v2(112.1,65.7) 111.05,66.75 83.3,66.75 ; v2(16,63.4) 16.05,63.4 v2(18.2,65.55) ; 83.3,66.75 44.45,66.75 ; 44.45,66.75 20.4,66.75
  vias: v1(16.5,18.45) v1(17.5,9.2) v1(17.5,8.5) v1(20.8,17.9) v1(20.8,17.2) v1(20.9,28.4) v1(20.9,27.6) v1(21.5,17.9) v1(21.5,17.2) v1(21.6,28.4) v1(25.7,17.3) v1(28.65,38.69) v2(17.1,65.55) v2(17.1,64.5) v2(21.5,64.5) v2(22.6,64.5) v2(23.7,64.5) v2(23.7,42.3) v2(25,42.3) v2(45.5,64.5) v2(46.6,64.5) v2(47.7,64.5) v2(80,64.5) v2(81.1,64.5) v2(82.2,64.5) v2(109.9,65.7) v2(109.9,64.6) v2(111,65.7) v2(111,64.6)
+3V3: length 633.7
  Top w0.254: 19.69,22.61 17.28,20.2 v1(16.6,20.2) ; 20.5,25 20.9,25 21.3,24.6 ; 20.5,25 20.7,25 21.1,24.6 ; 20.5,25 20.86,24.64 U10.43 ; 18.9,26 18.3,26.6 v1(16.5,26.6) ; 18.9,26 18.85,26.05 v1(15.95,26.05) ; 18.9,26 20.29,24.61 U10.43 ; 21.3,24.6 21.1,24.6 ; 21.3,24.6 21.3,24.7 18.7,27.3 16,27.3 v1(15.9,27.2) ; 17.2,20.3 16.9,20 ; 17.2,20.3 19.51,22.61 U10.48 ; 17.2,20.3 17.09,20.19 17.1,20.2 v1(15.9,20.2) ; 16.9,20 16.1,20 15.91,20.19 16.6,20.19 ; 16.9,20 16.5,19.6 ; U10.43 20.87,24.6 21.1,24.6
  Top w0.381: C86.1 v2(89.75,18.1)
  Top w0.508: 105.9,19 105.3,19 ; 105.9,19 106.9,19 ; 105.9,19 105.28,18.38 U6.19 105.28,18.97 105.3,19 ; 105.3,19 105.58,18.72 106.1,18.72 ; 16.6,20.19 17.09,20.19 ; 17.09,20.19 16.5,19.6 ; 17.09,20.19 19.4,22.5 ; 16.5,19.6 v1(15.9,20.2) ; 16.5,19.6 C104.1 ; 16.5,19.6 v1(15.95,19.05) 15.95,19.56 C104.1 ; v1(15.9,20.2) v1(16.6,20.2) 17.1,20.2 17.35,20.45 ; v1(15.9,20.2) 15.91,20.19 C104.1 ; 85.7,13.8 R27.1 R26.1 86.8,13.8 ; 85.7,13.8 v1(85.7,14.1) v1(86.8,14.1) 86.8,13.8 ; 85.7,13.8 86.8,13.8 ; 103.75,37.05 103.41,37.39 R19.1 101.75,36.9 ; 103.75,37.05 103.6,36.9 101.75,36.9 ; 103.75,37.05 104.6,36.2 104.6,35.8 103.95,35.8 D1.1 103.75,36.6 ; 103.75,37.05 103.75,36.6 ; C105.1 15.91,27.19 v1(15.9,27.2) ; C105.1 v1(16.5,26.6) ; C105.1 15.91,26.09 v1(15.95,26.05) v1(16.5,26.6) ; 98.6,20.55 98.56,20.51 R61.2 ; R61.2 97.91,20.51 99.1,21.7 ; R61.2 97.9,20.51 98.81,19.6 ; 105.55,19.35 107.55,19.35 107.91,18.99 ; C90.1 107.91,18.99 ; C90.1 107.52,18.72 ; C90.1 107.24,19 106.9,19 ; 107.91,18.99 113.07,13.83 113.07,13.17 ; C86.1 89.75,18 ; 18.65,26.85 18.3,27.2 v1(15.9,27.2) ; U5.19 87.78,18.58 88.2,19 88.99,19 v2(89,18.99) ; v1(16.5,26.6) v1(15.9,27.2) ; 101.75,36.9 101.75,36.6 ; 113.07,13.17 113.73,12.51 115.92,12.51 ; 113.07,13.17 111.97,14.27 ; 101.75,36.6 101.75,36.05 101.8,36 ; 101.75,36.6 103.75,36.6 ; 115.92,10 113.5,10 113.4,9.9 ; 91.1,9.14 UEXT1.1 ; 107.52,18.72 106.1,18.72 ; 107.52,18.72 111.97,14.27 ; 106.1,18.72 106.41,18.72 110.86,14.27 111.5,14.27 ; 111.5,14.27 106.9,18.87 106.9,19 ; 111.5,14.27 111.97,14.27
  Top w0.762: 16.25,26.85 18.65,26.85 19.2,26.3 ; 19.2,26.3 19.05,26.45 16.35,26.45 ; 19.2,26.3 20.5,25
  Top w1.016: v2(90.5,26.1) v2(90.5,24.9) 92.3,24.9 L4.2 ; v2(90.5,26.1) v2(94.9,26.1) v2(97.9,26.1) ; v2(90.5,26.1) 91.4,25.2 L4.2 ; v2(91.1,6.5) 91.08,6.52 91.08,7.4 ; v2(91.1,6.5) v2(90.1,7.5) 91.08,8.48 UEXT1.1 91.08,8.52 v2(92.1,7.5) v2(91.1,6.5) ; 104.35,20.55 105.9,19 ; 104.35,20.55 103.75,20.55 ; 104.35,20.55 100.25,20.55 ; 104.35,20.55 103.95,20.95 99.85,20.95 ; v2(96.9,26.1) 96,25.2 L4.2 ; 99.85,20.95 100.25,20.55 ; 99.85,20.95 99.1,21.7 ; 100.25,20.55 99.76,20.55 98.81,19.6 ; 100.25,20.55 100.4,20.55 ; U4.2 94,36.2 v2(92.9,35.1) 95,35.1 94,36.1 U4.2 ; U4.2 94,35.1 100.9,35.1 101.8,36 D1.1 ; L4.2 92.9,24.9 v2(94.9,24.9) v2(97.9,24.9) ; 103.75,20.55 100.4,20.55 ; 103.75,20.55 105.3,19 ; 100.4,20.55 98.6,20.55 ; v2(97.9,26.1) v2(98.9,26.1) 99.1,25.9 99.1,24.8 ; v2(97.9,26.1) 98.6,26.1 99.1,25.6 ; Pmod1.12 99.78,8.6 112.1,8.6 113.4,9.9 ; v2(89,18.99) C86.1 v2(89.75,18.1) 89.75,18.24 v2(89,18.99)